# Altium PCB EDA-03518-V3-0_pcb.pcbdoc (part 14 of 14)
Units mm, origin at the board's own origin, x right, y up, seen from the top; angles counter-clockwise.
Board outline 220 x 230 mm, 8 copper layers (Top Layer, L2P, L3, L4P, L5P, L6, L7P, Bottom Layer), stack 2.18 mm thick; 1190 components, 1445 nets, 5955 pads, 2149 vias.
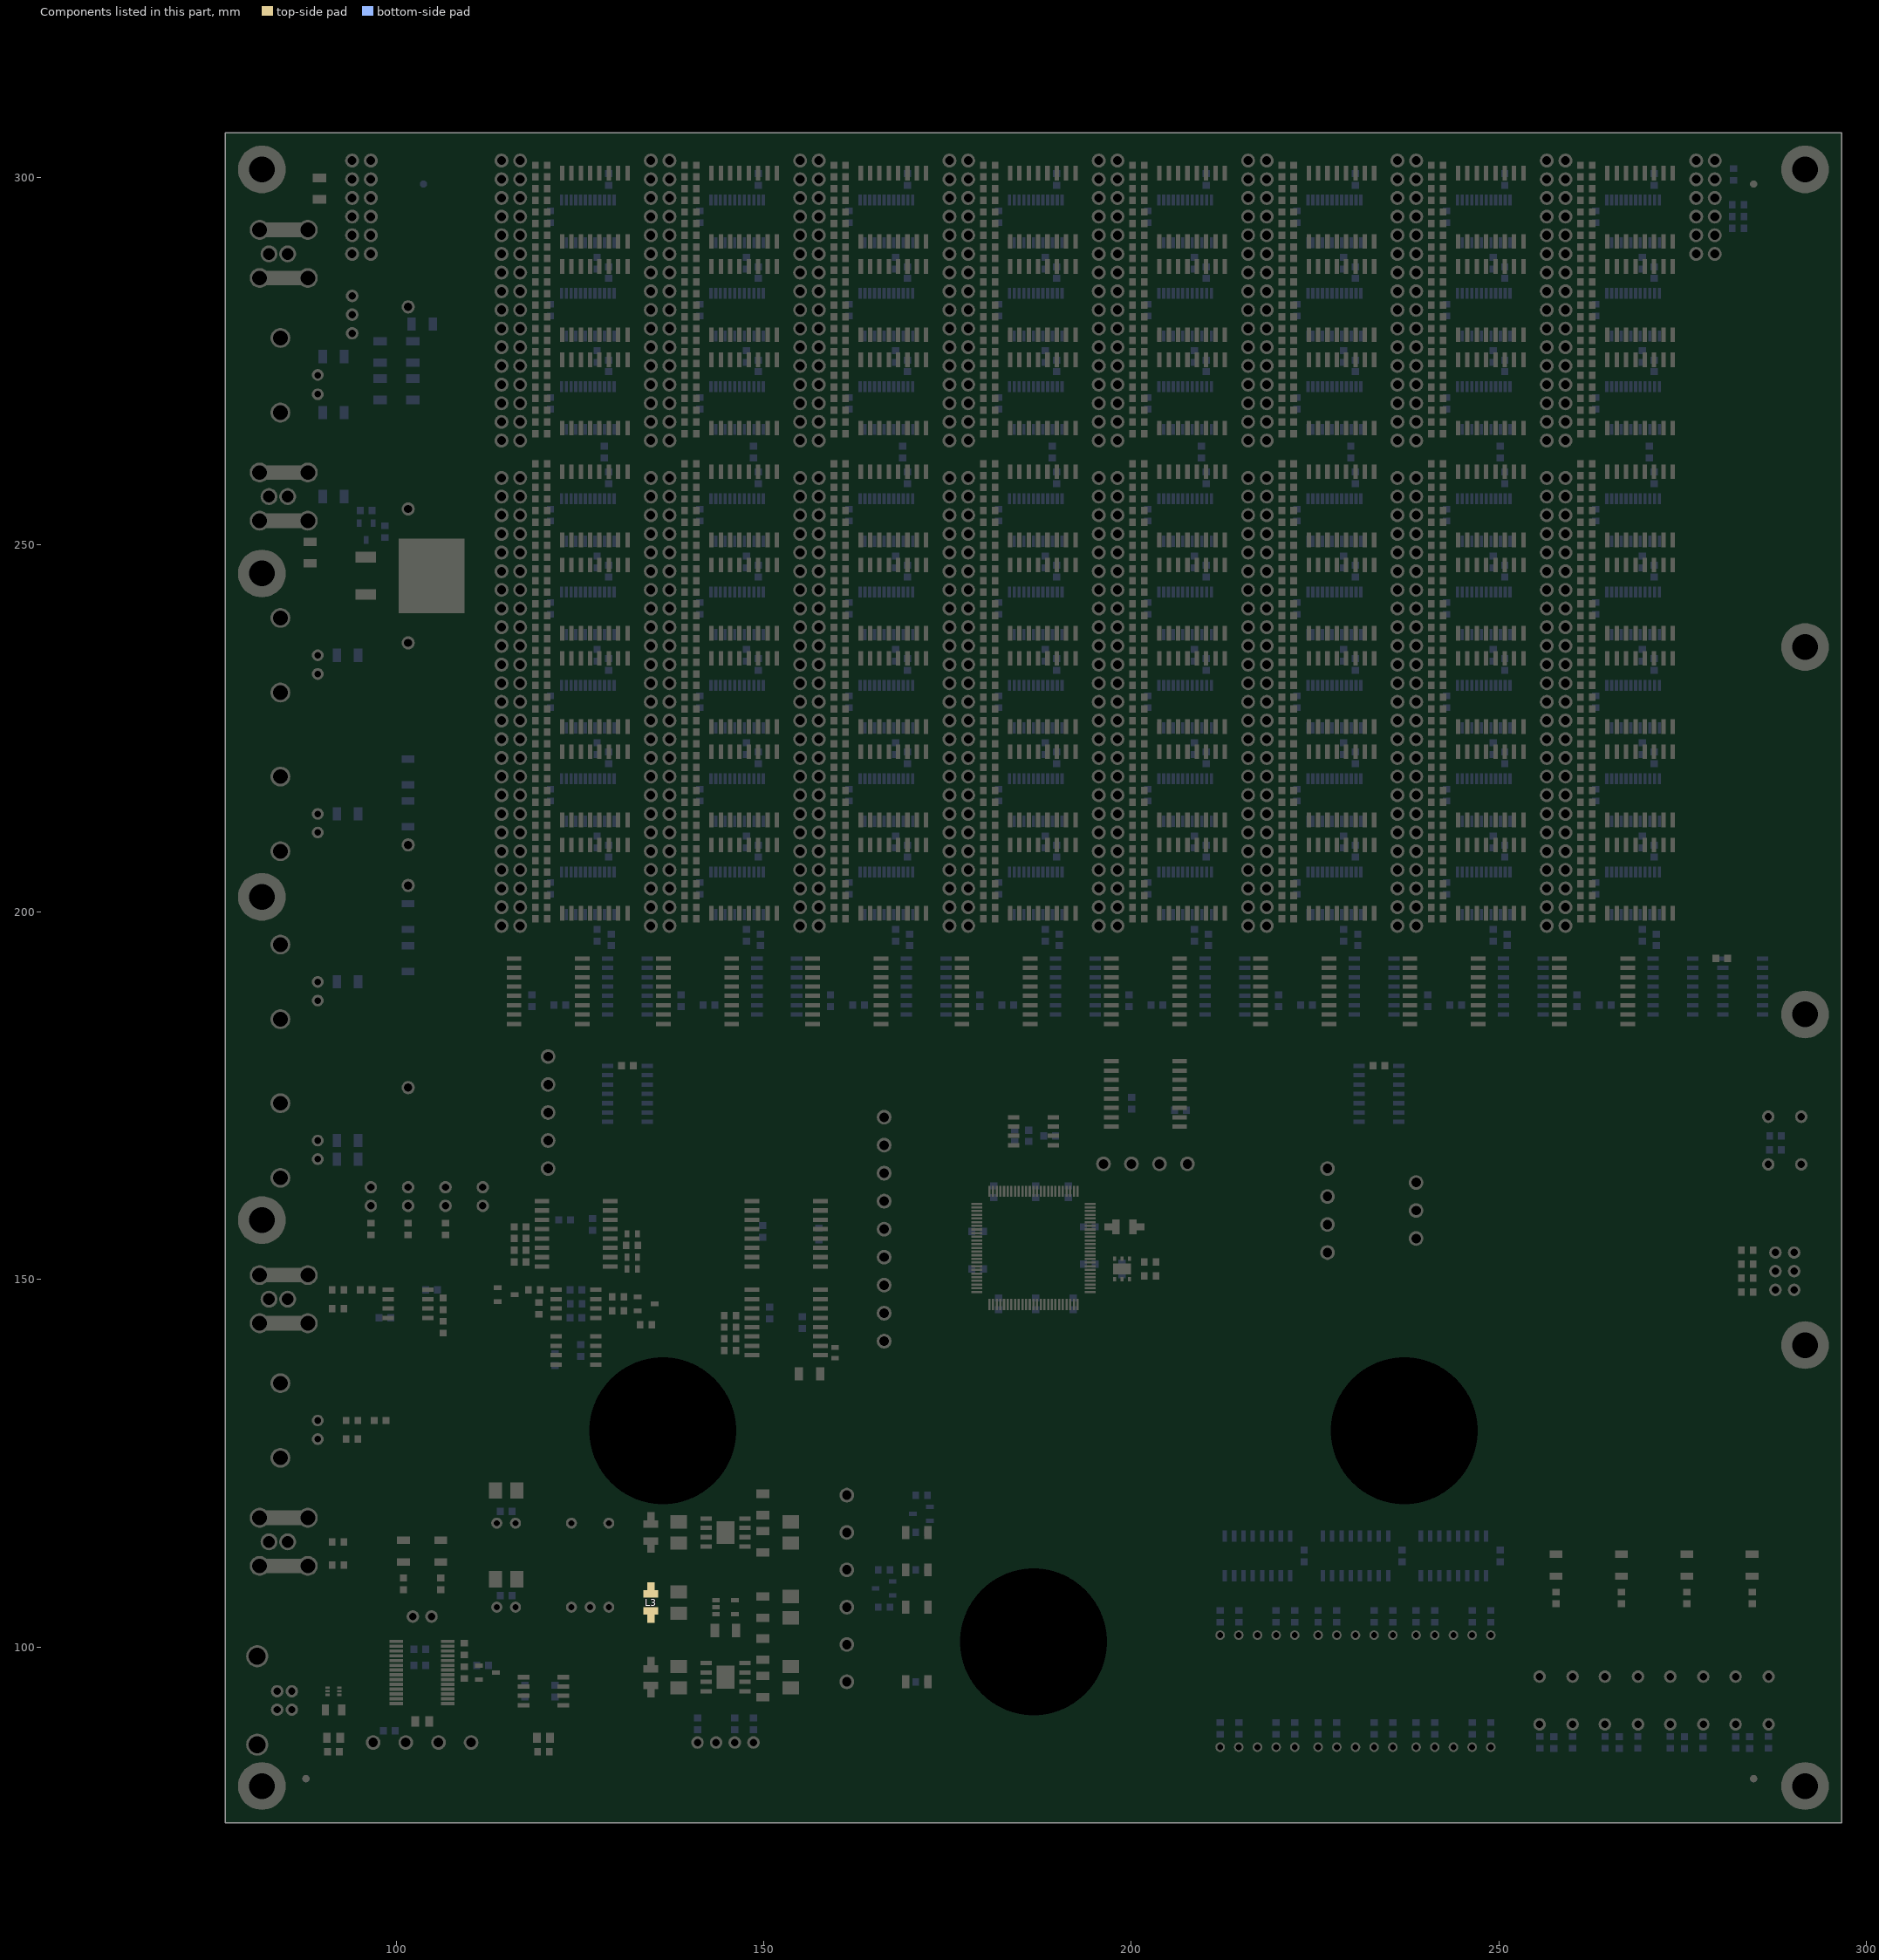
[diagram p20: the components of this part, seen from the top]

## Polygon pours and split planes (outlines as drawn) (continued)
G1 on L2P (split plane): 91.438,152.136 91.438,139.7 91.446,139.6 91.469,139.503 91.507,139.411 91.56,139.326 91.625,139.25 93.343,137.531 93.343,124.089 91.625,122.37 91.56,122.294 91.507,122.209 91.469,122.117 91.446,122.02 91.438,121.92 91.438,109.484 89.271,107.317 77.327,107.317 77.327,154.303 89.271,154.303
3.3V_USB on L4P (split plane): 119.378,123.561 119.378,90.172 116.205,90.172 116.105,90.164 116.008,90.141 115.916,90.103 115.831,90.05 115.755,89.985 115.69,89.909 115.637,89.824 115.599,89.732 115.576,89.635 115.568,89.535 115.568,85.092 92.077,85.092 92.077,89.535 92.069,89.635 92.046,89.732 92.008,89.824 91.955,89.909 91.89,89.985 91.814,90.05 91.729,90.103 91.637,90.141 91.54,90.164 91.44,90.172 82.552,90.172 82.552,95.621 84.27,97.34 84.335,97.416 84.388,97.501 84.426,97.593 84.449,97.69 84.457,97.79 84.457,103.503 94.615,103.503 94.715,103.511 94.812,103.534 94.904,103.572 94.989,103.625 95.065,103.69 97.605,106.23 97.67,106.306 97.691,106.339 97.723,106.391 97.738,106.429 97.761,106.483 97.779,106.557 97.784,106.58 97.792,106.68 97.792,123.561 99.959,125.728 117.211,125.728
G2 on L4P (split plane): 92.708,241.036 92.708,162.824 91.811,161.927 77.327,161.927 77.327,241.933 91.811,241.933
+3.3V on L4P (split plane): 219 vertices, not listed, extent 77.327,76.707 296.053,305.433
G1 on L4P (split plane): 91.438,152.136 91.438,139.7 91.446,139.6 91.469,139.503 91.507,139.411 91.56,139.326 91.625,139.25 93.343,137.531 93.343,124.089 91.625,122.37 91.56,122.294 91.507,122.209 91.469,122.117 91.446,122.02 91.438,121.92 91.438,109.484 89.271,107.317 77.327,107.317 77.327,154.303 89.271,154.303
G3 on L4P (split plane): 90.803,284.48 90.803,277.495 90.803,250.454 89.906,249.557 77.327,249.557 77.327,297.813 90.803,297.813
CASE on L4P (split plane): 83.183,98.054 81.465,96.335 81.4,96.259 81.347,96.174 81.309,96.082 81.286,95.985 81.278,95.885 81.278,89.535 81.286,89.435 81.309,89.338 81.347,89.246 81.4,89.161 81.465,89.085 81.541,89.02 81.626,88.967 81.718,88.929 81.815,88.906 81.915,88.898 90.803,88.898 90.803,84.455 90.811,84.355 90.834,84.258 90.872,84.166 90.925,84.081 90.99,84.005 91.066,83.94 91.151,83.887 91.243,83.849 91.34,83.826 91.44,83.818 116.205,83.818 116.305,83.826 116.402,83.849 116.494,83.887 116.579,83.94 116.655,84.005 116.72,84.081 116.773,84.166 116.811,84.258 116.834,84.355 116.842,84.455 116.842,88.898 119.378,88.898 119.378,76.95 119.308,76.964 119.19,76.972 114.19,76.972 114.072,76.964 113.957,76.941 113.845,76.903 113.739,76.851 113.641,76.786 113.552,76.708 113.552,76.707 77.327,76.707 77.327,103.503 83.183,103.503
3.3V_USB on L5P (split plane): 119.378,123.561 119.378,90.172 116.205,90.172 116.105,90.164 116.008,90.141 115.916,90.103 115.831,90.05 115.755,89.985 115.69,89.909 115.637,89.824 115.599,89.732 115.576,89.635 115.568,89.535 115.568,85.092 92.077,85.092 92.077,89.535 92.069,89.635 92.046,89.732 92.008,89.824 91.955,89.909 91.89,89.985 91.814,90.05 91.729,90.103 91.637,90.141 91.54,90.164 91.44,90.172 82.552,90.172 82.552,95.621 84.27,97.34 84.335,97.416 84.388,97.501 84.426,97.593 84.449,97.69 84.457,97.79 84.457,103.503 94.615,103.503 94.715,103.511 94.812,103.534 94.904,103.572 94.989,103.625 95.065,103.69 97.605,106.23 97.67,106.306 97.691,106.339 97.723,106.391 97.738,106.429 97.761,106.483 97.779,106.557 97.784,106.58 97.792,106.68 97.792,123.561 99.959,125.728 117.211,125.728
G2 on L5P (split plane): 92.708,241.036 92.708,162.824 91.811,161.927 77.327,161.927 77.327,241.933 91.811,241.933
GND on L5P (split plane): 219 vertices, not listed, extent 77.327,76.707 296.053,305.433
G1 on L5P (split plane): 91.438,152.136 91.438,139.7 91.446,139.6 91.469,139.503 91.507,139.411 91.56,139.326 91.625,139.25 93.343,137.531 93.343,124.089 91.625,122.37 91.56,122.294 91.507,122.209 91.469,122.117 91.446,122.02 91.438,121.92 91.438,109.484 89.271,107.317 77.327,107.317 77.327,154.303 89.271,154.303
G3 on L5P (split plane): 90.803,284.48 90.803,277.495 90.803,250.454 89.906,249.557 77.327,249.557 77.327,297.813 90.803,297.813
CASE on L5P (split plane): 83.183,98.054 81.465,96.335 81.4,96.259 81.347,96.174 81.309,96.082 81.286,95.985 81.278,95.885 81.278,89.535 81.286,89.435 81.309,89.338 81.347,89.246 81.4,89.161 81.465,89.085 81.541,89.02 81.626,88.967 81.718,88.929 81.815,88.906 81.915,88.898 90.803,88.898 90.803,84.455 90.811,84.355 90.834,84.258 90.872,84.166 90.925,84.081 90.99,84.005 91.066,83.94 91.151,83.887 91.243,83.849 91.34,83.826 91.44,83.818 116.205,83.818 116.305,83.826 116.402,83.849 116.494,83.887 116.579,83.94 116.655,84.005 116.72,84.081 116.773,84.166 116.811,84.258 116.834,84.355 116.842,84.455 116.842,88.898 119.378,88.898 119.378,76.95 119.308,76.964 119.19,76.972 114.19,76.972 114.072,76.964 113.957,76.941 113.845,76.903 113.739,76.851 113.641,76.786 113.552,76.708 113.552,76.707 77.327,76.707 77.327,103.503 83.183,103.503
3.3V_USB on L7P (split plane): 119.378,123.561 119.378,90.172 116.205,90.172 116.105,90.164 116.008,90.141 115.916,90.103 115.831,90.05 115.755,89.985 115.69,89.909 115.637,89.824 115.599,89.732 115.576,89.635 115.568,89.535 115.568,85.092 92.077,85.092 92.077,89.535 92.069,89.635 92.046,89.732 92.008,89.824 91.955,89.909 91.89,89.985 91.814,90.05 91.729,90.103 91.637,90.141 91.54,90.164 91.44,90.172 82.552,90.172 82.552,95.621 84.27,97.34 84.335,97.416 84.388,97.501 84.426,97.593 84.449,97.69 84.457,97.79 84.457,103.503 94.615,103.503 94.715,103.511 94.812,103.534 94.904,103.572 94.989,103.625 95.065,103.69 97.605,106.23 97.67,106.306 97.691,106.339 97.723,106.391 97.738,106.429 97.761,106.483 97.779,106.557 97.784,106.58 97.792,106.68 97.792,123.561 99.959,125.728 117.211,125.728
G2 on L7P (split plane): 92.708,241.036 92.708,162.824 91.811,161.927 77.327,161.927 77.327,241.933 91.811,241.933
-15V on L7P (split plane): 219 vertices, not listed, extent 77.327,76.707 296.053,305.433
G1 on L7P (split plane): 91.438,152.136 91.438,139.7 91.446,139.6 91.469,139.503 91.507,139.411 91.56,139.326 91.625,139.25 93.343,137.531 93.343,124.089 91.625,122.37 91.56,122.294 91.507,122.209 91.469,122.117 91.446,122.02 91.438,121.92 91.438,109.484 89.271,107.317 77.327,107.317 77.327,154.303 89.271,154.303
G3 on L7P (split plane): 90.803,284.48 90.803,277.495 90.803,250.454 89.906,249.557 77.327,249.557 77.327,297.813 90.803,297.813
CASE on L7P (split plane): 83.183,98.054 81.465,96.335 81.4,96.259 81.347,96.174 81.309,96.082 81.286,95.985 81.278,95.885 81.278,89.535 81.286,89.435 81.309,89.338 81.347,89.246 81.4,89.161 81.465,89.085 81.541,89.02 81.626,88.967 81.718,88.929 81.815,88.906 81.915,88.898 90.803,88.898 90.803,84.455 90.811,84.355 90.834,84.258 90.872,84.166 90.925,84.081 90.99,84.005 91.066,83.94 91.151,83.887 91.243,83.849 91.34,83.826 91.44,83.818 116.205,83.818 116.305,83.826 116.402,83.849 116.494,83.887 116.579,83.94 116.655,84.005 116.72,84.081 116.773,84.166 116.811,84.258 116.834,84.355 116.842,84.455 116.842,88.898 119.378,88.898 119.378,76.95 119.308,76.964 119.19,76.972 114.19,76.972 114.072,76.964 113.957,76.941 113.845,76.903 113.739,76.851 113.641,76.786 113.552,76.708 113.552,76.707 77.327,76.707 77.327,103.503 83.183,103.503

## Keep-outs
Keep-Out Layer:
  lines w0.2: 76.69,76.07 76.69,306.07 296.69,306.07 296.69,76.07 76.69,76.07
  lines w1: 114.19,76.07 119.19,76.07 ; 114.19,306.07 119.19,306.07 ; 184.19,76.07 189.19,76.07 ; 184.19,306.07 189.19,306.07 ; 254.19,76.07 259.19,76.07 ; 254.19,306.07 259.19,306.07

## Other copper
Top Layer:
  text "TOP" at 292.1,270.51 h1.5 r90
  text "EDA-03518-V3" at 292.1,251.46 h1.5 r90
  text "GND" at 152.4,81.28 h1.5
  text ".Layer_Name" at 149.225,34.29 h1.91 r45
  text "1" at 148.273,29.21 h2.54
L3:
  text "GND" at 167.64,81.28 h1.5
  text ".Layer_Name" at 161.29,36.195 h1.91 r45
  text "3" at 157.797,29.21 h2.54
L6:
  text "GND" at 180.975,81.28 h1.5
  text ".Layer_Name" at 174.625,34.29 h1.91 r45
  text "6" at 173.355,29.21 h2.54
Bottom Layer:
  text "G3" at 78.74,274.32 h1.5 r270
  text "BOT" at 290.83,270.51 h1.5 r270
  text "EDA-03518-V3" at 290.83,251.46 h1.5 r270
  text "G2" at 78.74,179.07 h1.5 r270
  text "G1" at 78.74,134.62 h1.5 r270
  text "UGND" at 109.22,118.11 h1.5
  text "GND" at 196.85,81.28 h1.5
  text "CASE" at 100.33,78.74 h1.5
  text ".Layer_Name" at 196.85,46.355 h1.91 r45
  text "8" at 183.197,29.21 h2.54
L2P (plane layer: these items are gaps in the copper):
  rectangle: 76.69,242.57 81.69,248.92
  rectangle: 76.69,154.94 81.69,161.29
  rectangle: 156.21,27.94 186.69,33.02
  rectangle: 146.05,27.94 151.13,33.02
  lines w1.27: 76.69,104.14 83.82,104.14 ; 76.69,106.68 89.535,106.68 92.075,109.22 92.075,121.92 93.98,123.825 93.98,137.795 92.075,139.7 92.075,152.4 89.535,154.94 76.69,154.94 ; 76.69,161.29 92.075,161.29 93.345,162.56 93.345,241.3 92.075,242.57 76.69,242.57 ; 76.69,248.92 90.17,248.92 91.44,250.19 91.44,277.495 ; 76.69,298.45 91.44,298.45 91.44,284.48 91.44,277.495 ; 120.015,76.07 120.015,89.535 ; 205.74,76.07 205.74,118.11 210.82,123.19 296.69,123.19 ; 83.82,104.14 94.615,104.14 97.155,106.68 97.155,123.825 99.695,126.365 117.475,126.365 120.015,123.825 120.015,89.535 ; 83.82,104.14 83.82,97.79 81.915,95.885 81.915,89.535 91.44,89.535 91.44,84.455 116.205,84.455 116.205,89.535 120.015,89.535 ; 91.44,277.495 91.44,277.495
  lines w1.8: 114.19,76.07 119.19,76.07 ; 114.19,306.07 119.19,306.07 ; 184.19,76.07 189.19,76.07 ; 184.19,306.07 189.19,306.07 ; 254.19,76.07 259.19,76.07 ; 254.19,306.07 259.19,306.07
  text "3.3V_USB" at 101.6,120.65 h1.5
  text "+15V" at 157.48,81.28 h1.5
  text "+5V" at 212.09,81.28 h1.5
  text ".Layer_Name" at 154.305,34.29 h1.91 r45
  text "2" at 153.035,29.21 h2.54
L4P (plane layer: these items are gaps in the copper):
  rectangle: 76.69,154.94 81.69,161.29
  rectangle: 76.69,242.57 81.69,248.92
  rectangle: 166.37,27.94 186.69,33.02
  rectangle: 146.05,27.94 161.29,33.02
  lines w1.27: 76.69,104.14 83.82,104.14 ; 76.69,106.68 89.535,106.68 92.075,109.22 92.075,121.92 93.98,123.825 93.98,137.795 92.075,139.7 92.075,152.4 89.535,154.94 76.69,154.94 ; 76.69,161.29 92.075,161.29 93.345,162.56 93.345,241.3 92.075,242.57 76.69,242.57 ; 76.69,248.92 90.17,248.92 91.44,250.19 91.44,277.495 ; 76.69,298.45 91.44,298.45 91.44,284.48 91.44,277.495 ; 120.015,76.07 120.015,89.535 ; 83.82,104.14 83.82,97.79 81.915,95.885 81.915,89.535 91.44,89.535 91.44,84.455 116.205,84.455 116.205,89.535 120.015,89.535 ; 83.82,104.14 94.615,104.14 97.155,106.68 97.155,123.825 99.695,126.365 117.475,126.365 120.015,123.825 120.015,89.535 ; 91.44,277.495 91.44,277.495
  lines w1.8: 114.19,76.07 119.19,76.07 ; 114.19,306.07 119.19,306.07 ; 184.19,76.07 189.19,76.07 ; 184.19,306.07 189.19,306.07 ; 254.19,76.07 259.19,76.07 ; 254.19,306.07 259.19,306.07
  text "+3.3V" at 168.91,81.28 h1.5
  text ".Layer_Name" at 164.465,34.29 h1.91 r45
  text "4" at 162.877,29.21 h2.54
L5P (plane layer: these items are gaps in the copper):
  rectangle: 76.69,154.94 81.69,161.29
  rectangle: 76.69,242.57 81.69,248.92
  rectangle: 146.05,27.94 166.37,33.02
  rectangle: 171.45,27.94 186.69,33.02
  lines w1.27: 76.69,104.14 83.82,104.14 ; 76.69,106.68 89.535,106.68 92.075,109.22 92.075,121.92 93.98,123.825 93.98,137.795 92.075,139.7 92.075,152.4 89.535,154.94 76.69,154.94 ; 76.69,161.29 92.075,161.29 93.345,162.56 93.345,241.3 92.075,242.57 76.69,242.57 ; 76.69,248.92 90.17,248.92 91.44,250.19 91.44,277.495 ; 76.69,298.45 91.44,298.45 91.44,284.48 91.44,277.495 ; 120.015,76.07 120.015,89.535 ; 83.82,104.14 83.82,97.79 81.915,95.885 81.915,89.535 91.44,89.535 91.44,84.455 116.205,84.455 116.205,89.535 120.015,89.535 ; 83.82,104.14 94.615,104.14 97.155,106.68 97.155,123.825 99.695,126.365 117.475,126.365 120.015,123.825 120.015,89.535 ; 91.44,277.495 91.44,277.495
  lines w1.8: 114.19,76.07 119.19,76.07 ; 114.19,306.07 119.19,306.07 ; 184.19,76.07 189.19,76.07 ; 184.19,306.07 189.19,306.07 ; 254.19,76.07 259.19,76.07 ; 254.19,306.07 259.19,306.07
  text "GND" at 179.705,81.28 h1.5
  text ".Layer_Name" at 172.72,37.465 h1.91 r45
  text "5" at 167.957,29.21 h2.54
L7P (plane layer: these items are gaps in the copper):
  rectangle: 76.69,242.57 81.69,248.92
  rectangle: 76.835,154.94 81.69,161.29
  rectangle: 146.05,27.94 176.53,33.02
  rectangle: 181.61,27.94 186.69,33.02
  lines w1.27: 76.69,104.14 83.82,104.14 ; 76.69,106.68 89.535,106.68 92.075,109.22 92.075,121.92 93.98,123.825 93.98,137.795 92.075,139.7 92.075,152.4 89.535,154.94 76.69,154.94 ; 76.69,161.29 92.075,161.29 93.345,162.56 93.345,241.3 92.075,242.57 76.69,242.57 ; 76.69,248.92 90.17,248.92 91.44,250.19 91.44,277.495 ; 76.69,298.45 91.44,298.45 91.44,284.48 91.44,277.495 ; 120.015,76.07 120.015,89.535 ; 83.82,104.14 94.615,104.14 97.155,106.68 97.155,123.825 99.695,126.365 117.475,126.365 120.015,123.825 120.015,89.535 ; 83.82,104.14 83.82,97.79 81.915,95.885 81.915,89.535 91.44,89.535 91.44,84.455 116.205,84.455 116.205,89.535 120.015,89.535 ; 91.44,277.495 91.44,277.495
  lines w1.8: 114.19,76.07 119.19,76.07 ; 114.19,306.07 119.19,306.07 ; 184.19,76.07 189.19,76.07 ; 184.19,306.07 189.19,306.07 ; 254.19,76.07 259.19,76.07 ; 254.19,306.07 259.19,306.07
  text "-15V" at 191.135,81.28 h1.5
  text ".Layer_Name" at 182.721,37.465 h1.91 r45
  text "7" at 178.118,29.21 h2.54
Multi-Layer:
  pour cut-out: 90.805,278.13 90.805,267.335 92.075,267.335 92.075,278.13
  pour cut-out: 91.44,149.542 91.44,145.097 92.71,145.097 92.71,149.542
  pour cut-out: 92.71,169.862 92.71,165.417 93.98,165.417 93.98,169.862

## Silkscreen, mask and mechanical layers (free items; w line width, h text height)
Top Overlay:
  region: 101.62,294.755 102.12,296.005 102.87,295.255
  lines w0.2: 105.727,82.233 105.727,84.772 ; 111.76,197.485 113.03,196.215 118.11,196.215 119.38,197.485 ; 262.255,198.12 263.525,196.85 279.717,196.85 280.988,198.12
  lines w0.35: 102.12,295.255 104.12,297.255 101.62,297.255 103.37,299.005 ; 98.87,294.005 102.87,302.005 106.87,294.005 98.87,294.005
  lines w0.5: 78.105,224.155 94.615,224.155 ; 107.95,225.425 108.585,226.06 108.585,239.395 ; 108.585,252.095 108.585,304.8
  text "HIGH" at 100.806,291.465 h1.5
  text "VOLTAGE" at 98.425,288.925 h1.5
  text "Licensed under CERN OHL v.1.2" at 257.493,136.207 h1.14
  text "http://ohwr.org/cernohl" at 261.303,133.985 h1.14
  text "EDA-03518-V3" at 261.62,128.905 h1.5
  text "HGC Sensor 512 Channels - Switching Matrix" at 156.21,128.27 h2
  text "TOP" at 267.97,126.365 h1.5
  text "http://ohwr.org/projects/array" at 176.53,125.412 h1.27
  text "SDA" at 141.605,81.915 h1 r90
  text "GND" at 144.145,81.915 h1 r90
  text "SCL" at 149.225,81.915 h1 r90
  text "+3.3V" at 146.685,81.28 h1 r90
  text ".Layer_Name" at 213.36,43.18 h1.91
Bottom Overlay:
  region: 97.77,242.05 97.27,243.3 96.52,242.55
  lines w0.35: 96.02,246.3 97.77,244.55 95.27,244.55 97.27,242.55 ; 92.52,241.3 100.52,241.3 96.52,249.3 92.52,241.3
  lines w0.5: 78.105,222.25 104.775,222.25 108.585,226.06 108.585,304.8
  text "HIGH VOLTAGE" at 103.822,238.442 h1.5
  text "EDA-03518-V3" at 280.035,121.285 h1.5
  text "BOT" at 274.32,118.745 h1.5
  text ".Layer_Name" at 254,43.18 h1.91
Top Paste:
  text ".Layer_Name" at 213.36,38.1 h1.91
Bottom Paste:
  text ".Layer_Name" at 254,38.1 h1.91
Top Solder:
  text ".Layer_Name" at 213.36,40.64 h1.91
Bottom Solder:
  text ".Layer_Name" at 254,40.64 h1.91
Mechanical 1:
  the board outline again, w0.8
Mechanical 2:
  text "Components" at 105.41,64.77 h1.91
  text ".Component_Count" at 123.19,64.77 h1.91
  text "Pins" at 105.41,62.23 h1.91
  text ".Pad_Count" at 123.19,62.23 h1.91
  text "Vias" at 105.41,59.69 h1.91
  text ".Via_Count" at 123.19,59.69 h1.91
  text "Holes" at 105.41,57.15 h1.91
  text ".Hole_Count" at 123.19,57.15 h1.91
  text "Nets" at 105.41,54.61 h1.91
  text ".Net_Count" at 123.19,54.61 h1.91
Mechanical 4:
  the board outline again, w0.2
Corners:
  lines w0.2: 71.69,76.07 76.69,76.07 76.69,71.07 ; 71.69,306.07 76.69,306.07 76.69,311.07 ; 296.69,71.07 296.69,76.07 301.69,76.07 ; 296.69,311.07 296.69,306.07 301.69,306.07
  lines w0.254: 151.13,27.94 151.13,33.02 ; 156.21,27.94 156.21,33.02 ; 161.29,27.94 161.29,33.02 ; 166.37,27.94 166.37,33.02 ; 171.45,27.94 171.45,33.02 ; 176.53,27.94 176.53,33.02 ; 181.61,27.94 181.61,33.02 ; 146.05,27.94 146.05,33.02 186.69,33.02 186.69,27.94 146.05,27.94
Title Block:
  circle w0.305: c80.645,40.64 r3.81
  lines w0.254: 78.74,39.378 ccw(c83.185,39.37) 79.453,41.784 ; 87.63,39.37 87.63,43.815 ; 90.17,36.195 132.08,36.195 ; 90.17,39.37 132.08,39.37 ; 90.17,42.545 132.08,42.545 ; 104.14,33.02 104.14,45.72 ; 76.2,33.02 76.2,45.72 88.9,45.72 88.9,33.02 76.2,33.02 ; 90.17,33.02 90.17,45.72 132.08,45.72 132.08,33.02 90.17,33.02
  lines w0.305: 77.089,39.268 78.105,36.195 ; 80.137,33.147 83.21,37.821 ; 80.645,44.45 88.265,45.085 ; 84.379,41.402 86.995,33.02
  text "Number" at 91.44,43.18 h1.91
  text "EDA-03518-V3" at 105.41,43.18 h1.91
  text "Drawn By" at 91.44,40.005 h1.91
  text "JMW" at 105.41,40.005 h1.91
  text "CERN" at 77.47,39.751 h2.54
  text "DATE" at 91.44,36.83 h1.91
  text "28-10-2016" at 105.41,36.83 h1.91
  text "MOD.V2" at 91.44,33.655 h1.91
  text "JMW 12-02-2019" at 105.41,33.655 h1.91
  text "Print Date" at 91.44,30.48 h1.27
  text ".Print_Date" at 106.68,30.48 h1.27
  text ".Print_Time" at 119.38,30.48 h1.27
  text ".Print_Scale" at 91.44,28.575 h1.27
  text "Altium Designer Rev" at 91.44,26.67 h1.27
  text "'.Application_BuildNumber'" at 110.49,26.67 h1.27
Notvisible:
  circle w0.3: c277.178,133.38 r0.2
  circle w0.203: c264.245,136.865 r2.775
  lines w0.05: 261.303,132.08 277.178,139.7 ; 261.303,132.08 261.303,139.7 ; 261.303,132.08 277.178,132.08 ; 261.303,139.7 277.178,132.08 ; 261.303,139.7 277.178,139.7 ; 277.178,132.08 277.178,139.7
  lines w0.2: 186.69,306.07 188.595,307.975 191.135,307.975 ; 270.535,134.735 270.535,135.735 ; 270.535,136.335 270.535,137.235
  lines w0.203: 261.572,136.119 262.29,133.547 ; 262.715,135.763 ccw(c265.475,136.032) 263.493,137.971 ; 263.691,132.14 266.295,134.996 ; 264.244,139.64 269.558,139.64 269.558,136.335 270.535,136.335 ; 266.946,137.496 268.14,132.385 ; 268.221,135.64 268.693,138.953 ; 269.558,135.735 269.558,132.08 277.178,132.08 277.178,133.38 ; 269.571,135.735 270.535,135.735 ; 270.535,134.735 ccw(c271.035,134.847) 271.035,134.335 272.935,134.335 ccw(c272.868,135.014) 273.435,134.635 ; 270.535,137.235 cw(c271.368,136.902) 271.035,137.735 272.935,137.735 cw(c272.935,137.168) 273.435,137.435 cw(c273.985,137.068) 274.535,137.435 ; 272.936,135.135 cw(c272.916,134.361) 273.436,134.935 ; 272.935,135.135 271.435,135.135 271.435,135.635 272.135,135.635 ccw(c272.169,135.818) 272.335,135.735 273.435,135.735 273.435,134.935 ; 273.435,134.635 ccw(c273.777,134.743) 274.135,134.735 274.135,136.435 274.435,135.935 ccw(c274.785,136.075) 275.135,135.935 275.435,136.435 275.435,134.735 ; 274.535,137.435 274.785,136.935 275.035,137.435 ; 275.035,137.435 cw(c275.585,137.128) 276.135,137.435 ; 275.435,134.735 ccw(c275.785,134.685) 276.135,134.735 ; 276.135,134.735 276.135,137.435 ; 271.435,136.435 271.435,136.935 272.935,136.935 ccw(c272.935,137.66) 273.435,137.135 273.435,136.335 272.335,136.335 ccw(c272.169,136.252) 272.135,136.435 271.435,136.435
  lines w0.254: 146.05,34.29 186.69,34.29 ; 149.225,34.29 156.845,41.91 ; 154.305,34.29 161.925,41.91 ; 159.385,34.29 167.005,41.91 ; 164.465,34.29 172.085,41.91 ; 169.545,34.29 177.165,41.91 ; 174.625,34.29 182.245,41.91 ; 179.705,34.29 187.325,41.91 ; 184.785,34.29 192.405,41.91
  text "Relative origin" at 188.595,308.61 h1.5
  text "TE/MPE" at 270.827,138.43 h1
  text "CERN" at 262.128,136.271 h1.25
  text "SK/JMW" at 270.51,132.715 h1
Panelisation:
  drawing of 259 lines, arcs and shapes, not listed
  text "Area without Copper & without Solder Mask on both Sides" at 152.154,319.47 h1.7
  text "Ø0.8" at 194.78,302.49 h3.5
  text "2.4" at 106.388,299.188 h2 r90
  text "Not Plated Holes" at 194.945,298.767 h1.5
  text "1.25" at 176.111,297.918 h2
  text "6" at 116.294,297.791 h2
  text "Ø2mm Not Drilled" at 291.61,278.13 h3 r90
  text "3x OPTICAL TARGET" at 289.07,275.59 h3 r90
  text "Ø3.5 ±0.05" at 289.07,79.88 h3 r90
  text "NOT PLATED HOLE" at 291.61,79.88 h3 r90
  text ".Layer_Name" at 139.7,43.18 h1.91
  text "ALL DIMENSIONS ARE IN MILLIMETERS" at 195.58,38.1 h5
  text "Dimensions are rounded to 0.1mm. Gerber data is the reference" at 200.66,35.56 h3
Panelisation2:
  lines w2.4: 76.69,74.87 113.69,74.87 ; 76.69,307.27 113.69,307.27 ; 119.69,74.87 183.69,74.87 ; 119.69,307.27 183.69,307.27 ; 189.69,74.87 253.69,74.87 ; 189.69,307.27 253.69,307.27 ; 259.69,74.87 296.69,74.87 ; 259.69,307.27 296.69,307.27
Mechanical 11:
  drawing of 186 lines, arcs and shapes, not listed
Drill Drawing:
  circle w0.25: c215.688,63.408 r0.833
  lines w0.25: 214.855,17.992 215.271,17.992 215.688,17.575 216.105,17.992 216.521,17.992 216.105,18.408 216.521,18.825 216.105,18.825 215.688,19.242 215.271,18.825 214.855,18.825 215.271,18.408 214.855,17.992 ; 214.855,22.992 216.521,22.992 215.688,21.325 214.855,22.992 ; 214.855,36.325 215.688,36.742 216.521,36.325 216.105,37.158 216.521,37.992 215.688,37.575 214.855,37.992 215.271,37.158 214.855,36.325 ; 214.855,40.075 215.688,40.492 216.521,40.075 216.105,40.908 216.521,41.742 215.688,41.325 214.855,41.742 215.271,40.908 214.855,40.075 ; 214.855,43.825 216.521,43.825 216.521,45.492 214.855,45.492 214.855,43.825 ; 214.855,47.575 214.855,47.992 215.271,48.408 214.855,48.825 214.855,49.242 215.271,49.242 215.688,48.825 216.105,49.242 216.521,49.242 216.521,48.825 216.105,48.408 216.521,47.992 216.521,47.575 216.105,47.575 215.688,47.992 215.271,47.575 214.855,47.575 ; 214.855,55.492 215.271,55.492 215.271,55.075 216.105,55.075 216.105,55.492 216.521,55.492 216.521,56.325 216.105,56.325 216.105,56.742 215.271,56.742 215.271,56.325 214.855,56.325 214.855,55.492 ; 214.855,58.825 216.521,58.825 216.521,60.492 214.855,60.492 214.855,58.825 ; 215.188,36.658 215.688,36.908 216.188,36.658 215.938,37.158 216.188,37.658 215.688,37.408 215.188,37.658 215.438,37.158 215.188,36.658 ; 215.188,44.158 216.188,44.158 216.188,45.158 215.188,45.158 215.188,44.158 ; 215.188,47.908 215.188,48.158 215.438,48.408 215.188,48.658 215.188,48.908 215.438,48.908 215.688,48.658 215.938,48.908 216.188,48.908 216.188,48.658 215.938,48.408 216.188,48.158 216.188,47.908 215.938,47.908 215.688,48.158 215.438,47.908 215.188,47.908 ; 215.188,55.658 215.438,55.658 215.438,55.408 215.938,55.408 215.938,55.658 216.188,55.658 216.188,56.158 215.938,56.158 215.938,56.408 215.438,56.408 215.438,56.158 215.188,56.158 215.188,55.658
  lines w0.5: 213.36,16.45 289.022,16.45 ; 213.36,65.2 289.022,65.2 ; 225.925,12.7 225.925,68.95 ; 240.501,12.7 240.501,68.95 ; 265.695,12.7 265.695,68.95 ; 275.617,12.7 275.617,68.95 ; 213.36,12.7 289.022,12.7 289.022,68.95 213.36,68.95 213.36,12.7
  text "Symbol" at 215.61,66.325 h1.8
  text "Hit Count" at 227.05,66.325 h1.8
  text "Finished Hole Size" at 241.626,66.325 h1.8
  text "Plated" at 266.82,66.325 h1.8
  text "Via/Pad" at 276.742,66.325 h1.8
  text "1995" at 227.05,62.575 h1.5
  text "0.30mm (11.81mil)" at 241.626,62.575 h1.5
  text "PTH" at 266.82,62.575 h1.5
  text "Via" at 276.742,62.575 h1.5
  text "154" at 227.05,58.825 h1.5
  text "0.50mm (19.69mil)" at 241.626,58.825 h1.5
  text "PTH" at 266.82,58.825 h1.5
  text "Via" at 276.742,58.825 h1.5
  text "39" at 227.05,55.075 h1.5
  text "0.80mm (31.50mil)" at 241.626,55.075 h1.5
  text "PTH" at 266.82,55.075 h1.5
  text "Pad" at 276.742,55.075 h1.5
  text "12" at 227.05,51.325 h1.5
  text "0.90mm (35.43mil)" at 241.626,51.325 h1.5
  text "PTH" at 266.82,51.325 h1.5
  text "Pad" at 276.742,51.325 h1.5
  text "A" at 214.883,51.075 h1.67
  text "47" at 227.05,47.575 h1.5
  text "1.00mm (39.37mil)" at 241.626,47.575 h1.5
  text "PTH" at 266.82,47.575 h1.5
  text "Pad" at 276.742,47.575 h1.5
  text "6" at 227.05,43.825 h1.5
  text "1.10mm (43.31mil)" at 241.626,43.825 h1.5
  text "PTH" at 266.82,43.825 h1.5
  text "Pad" at 276.742,43.825 h1.5
  text "680" at 227.05,40.075 h1.5
  text "1.20mm (47.24mil)" at 241.626,40.075 h1.5
  text "PTH" at 266.82,40.075 h1.5
  text "Pad" at 276.742,40.075 h1.5
  text "35" at 227.05,36.325 h1.5
  text "1.30mm (51.18mil)" at 241.626,36.325 h1.5
  text "PTH" at 266.82,36.325 h1.5
  text "Pad" at 276.742,36.325 h1.5
  text "8" at 227.05,32.575 h1.5
  text "1.60mm (62.99mil)" at 241.626,32.575 h1.5
  text "PTH" at 266.82,32.575 h1.5
  text "Pad" at 276.742,32.575 h1.5
  text "C" at 214.883,32.325 h1.67
  text "28" at 227.05,28.825 h1.5
  text "2.00mm (78.74mil)" at 241.626,28.825 h1.5
  text "PTH" at 266.82,28.825 h1.5
  text "Pad" at 276.742,28.825 h1.5
  text "B" at 214.883,28.575 h1.67
  text "2" at 227.05,25.075 h1.5
  text "2.30mm (90.55mil)" at 241.626,25.075 h1.5
  text "PTH" at 266.82,25.075 h1.5
  text "Pad" at 276.742,25.075 h1.5
  text "D" at 214.883,24.825 h1.67
  text "10" at 227.05,21.325 h1.5
  text "3.50mm (137.80mil)" at 241.626,21.325 h1.5
  text "PTH" at 266.82,21.325 h1.5
  text "Pad" at 276.742,21.325 h1.5
  text "3" at 227.05,17.575 h1.5
  text "20.00mm (787.40mil)" at 241.626,17.575 h1.5
  text "NPTH" at 266.82,17.575 h1.5
  text "Pad" at 276.742,17.575 h1.5
  text "3019 Total" at 227.05,13.825 h1.5
  text "General tolerances +/-0.05mm unless otherwise stated" at 215.9,10.16 h1.5

## Dimensions
76.69,58.67 to 91.69,58.67 on Panelisation
76.69,58.67 to 76.69,66.17 on Panelisation
76.69,306.07 to 296.69,306.07 on Mechanical 2
296.69,76.07 to 296.69,306.07 on Mechanical 2
76.69,76.07 to 81.69,81.07 on Drill Drawing
76.69,76.07 to 81.69,81.07 on Drill Drawing

## Text inside footprints (layer, text, board x,y; h text height)
IC83: Mechanical 14 "7" at 129.667,114.681 h1.5 r90; Mechanical 14 "1" at 114.415,114.81 h1.5 r90
IC86: Mechanical 14 "7" at 129.667,103.251 h1.5 r90; Mechanical 14 "1" at 114.415,103.38 h1.5 r90
J1: Top Overlay "1" at 87.312,288.925 h1.2; Mechanical 14 "1" at 87.677,290.195 h1.2 r180
J3: Top Overlay "1" at 87.312,255.905 h1.2; Mechanical 14 "1" at 87.677,257.175 h1.2 r180
J8: Mechanical 14 "1" at 290.693,146.343 h1 r90
J9: Top Overlay "1" at 87.312,146.685 h1.2; Mechanical 14 "1" at 87.677,147.955 h1.2 r180
J11: Top Overlay "1" at 87.312,113.665 h1.2; Mechanical 14 "1" at 87.677,114.935 h1.2 r180
J14: Mechanical 14 "1" at 278.902,287.213 h1.2 r270; Mechanical 14 "12" at 276.205,304.265 h1.2 r270; Bottom Overlay "12" at 274.002,301.308 h1 r270
J15: Mechanical 14 "1" at 258.582,261.813 h1.2 r270; Mechanical 14 "32" at 255.885,304.265 h1.2 r270; Bottom Overlay "32" at 253.682,301.308 h1 r270
J16: Mechanical 14 "1" at 238.262,261.813 h1.2 r270; Mechanical 14 "32" at 235.565,304.265 h1.2 r270; Bottom Overlay "32" at 233.362,301.308 h1 r270
J17: Mechanical 14 "1" at 217.942,261.813 h1.2 r270; Mechanical 14 "32" at 215.245,304.265 h1.2 r270; Bottom Overlay "32" at 213.042,301.308 h1 r270
J18: Mechanical 14 "1" at 197.622,261.813 h1.2 r270; Mechanical 14 "32" at 194.925,304.265 h1.2 r270; Bottom Overlay "32" at 192.722,301.308 h1 r270
J19: Mechanical 14 "1" at 177.302,261.813 h1.2 r270; Mechanical 14 "32" at 174.605,304.265 h1.2 r270; Bottom Overlay "32" at 172.403,301.308 h1 r270
J20: Mechanical 14 "1" at 156.982,261.813 h1.2 r270; Mechanical 14 "32" at 154.285,304.265 h1.2 r270; Bottom Overlay "32" at 152.082,301.308 h1 r270
J21: Mechanical 14 "1" at 136.662,261.813 h1.2 r270; Mechanical 14 "32" at 133.965,304.265 h1.2 r270; Bottom Overlay "32" at 131.762,301.308 h1 r270
J22: Mechanical 14 "1" at 116.342,261.813 h1.2 r270; Mechanical 14 "32" at 113.645,304.265 h1.2 r270; Bottom Overlay "32" at 111.442,301.308 h1 r270
J23: Mechanical 14 "1" at 96.022,287.213 h1.2 r270; Mechanical 14 "12" at 93.325,304.265 h1.2 r270; Bottom Overlay "12" at 91.123,301.308 h1 r270
J24: Mechanical 14 "1" at 258.582,195.773 h1.2 r270; Mechanical 14 "50" at 255.885,261.085 h1.2 r270; Bottom Overlay "50" at 253.682,258.128 h1 r270
J25: Mechanical 14 "1" at 238.262,195.773 h1.2 r270; Mechanical 14 "50" at 235.565,261.085 h1.2 r270; Bottom Overlay "50" at 233.362,258.128 h1 r270
J26: Mechanical 14 "1" at 217.942,195.773 h1.2 r270; Mechanical 14 "50" at 215.245,261.085 h1.2 r270; Bottom Overlay "50" at 213.042,258.128 h1 r270
J27: Mechanical 14 "1" at 197.622,195.773 h1.2 r270; Mechanical 14 "50" at 194.925,261.085 h1.2 r270; Bottom Overlay "50" at 192.722,258.128 h1 r270
J28: Mechanical 14 "1" at 177.302,195.773 h1.2 r270; Mechanical 14 "50" at 174.605,261.085 h1.2 r270; Bottom Overlay "50" at 172.403,258.128 h1 r270
J29: Mechanical 14 "1" at 156.982,195.773 h1.2 r270; Mechanical 14 "50" at 154.285,261.085 h1.2 r270; Bottom Overlay "50" at 152.082,258.128 h1 r270
J30: Mechanical 14 "1" at 136.662,195.773 h1.2 r270; Mechanical 14 "50" at 133.965,261.085 h1.2 r270; Bottom Overlay "50" at 131.762,258.128 h1 r270
J31: Mechanical 14 "1" at 116.342,195.773 h1.2 r270; Mechanical 14 "50" at 113.645,261.085 h1.2 r270; Bottom Overlay "50" at 111.125,258.128 h1 r270